# Altium PCB Spectacles.PcbDoc
Units mil, origin at the board's own origin, x right, y up, seen from the top; angles counter-clockwise.
Board outline 620 x 1935 mil, 6 copper layers (L1, L2, L3, L4, L5, L6), stack 60.173 mil thick; 80 components, 59 nets, 292 pads, 105 vias.
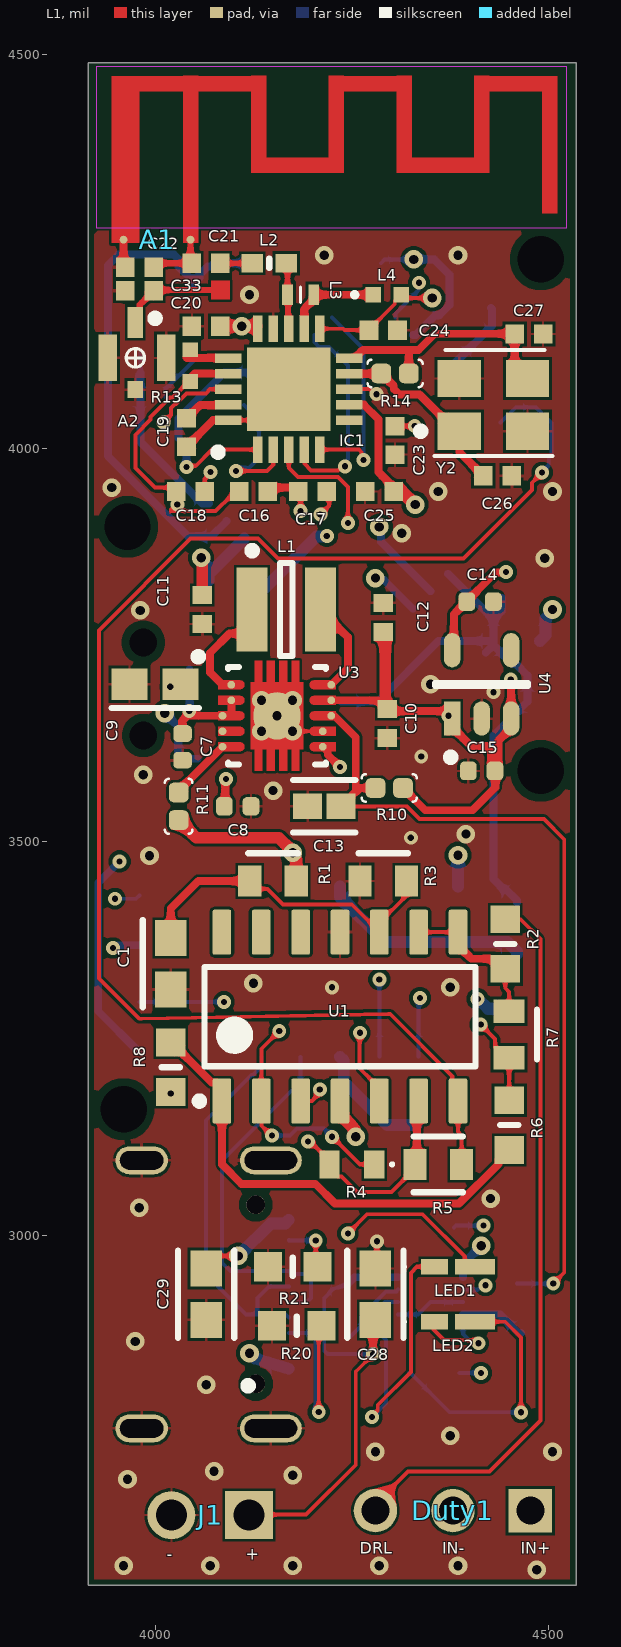
[diagram p0: L1 view]
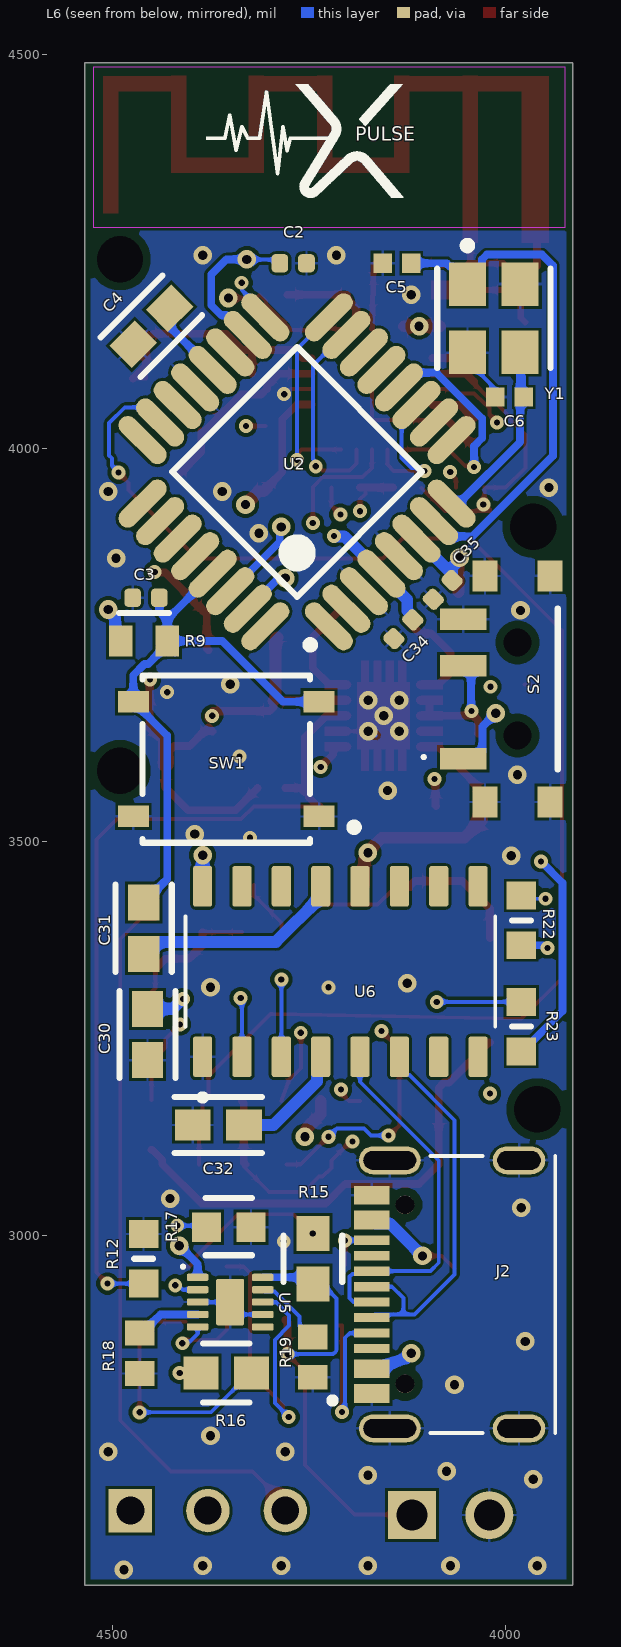
[diagram p1: L6 view, seen from below]
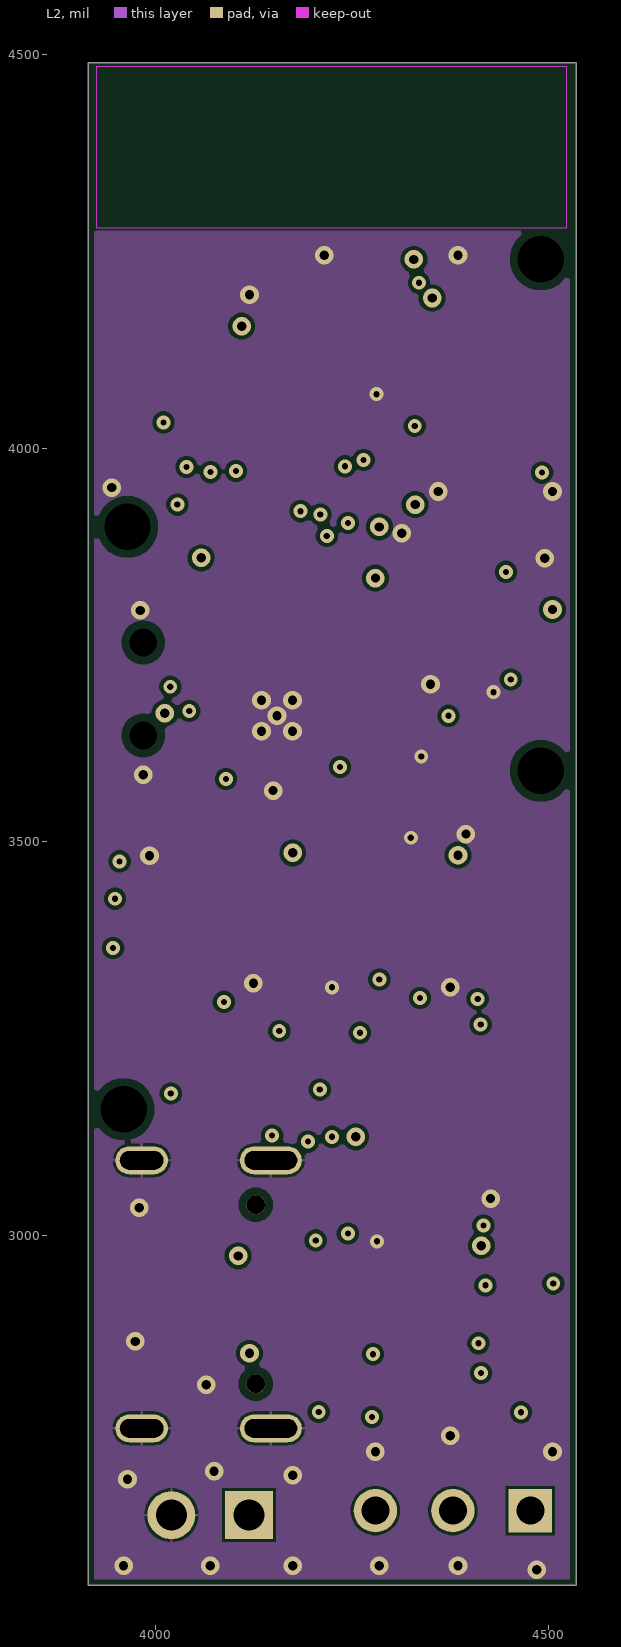
[diagram p2: L2]
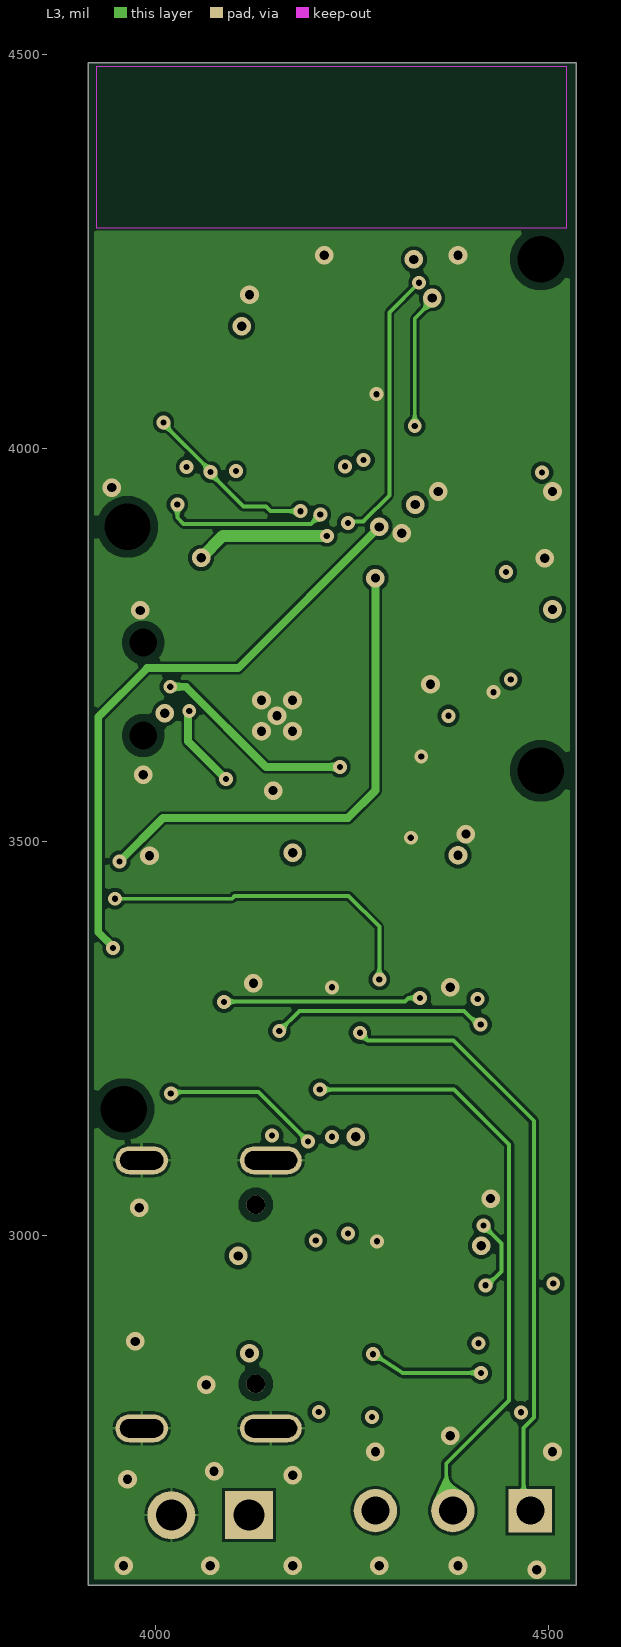
[diagram p3: L3]
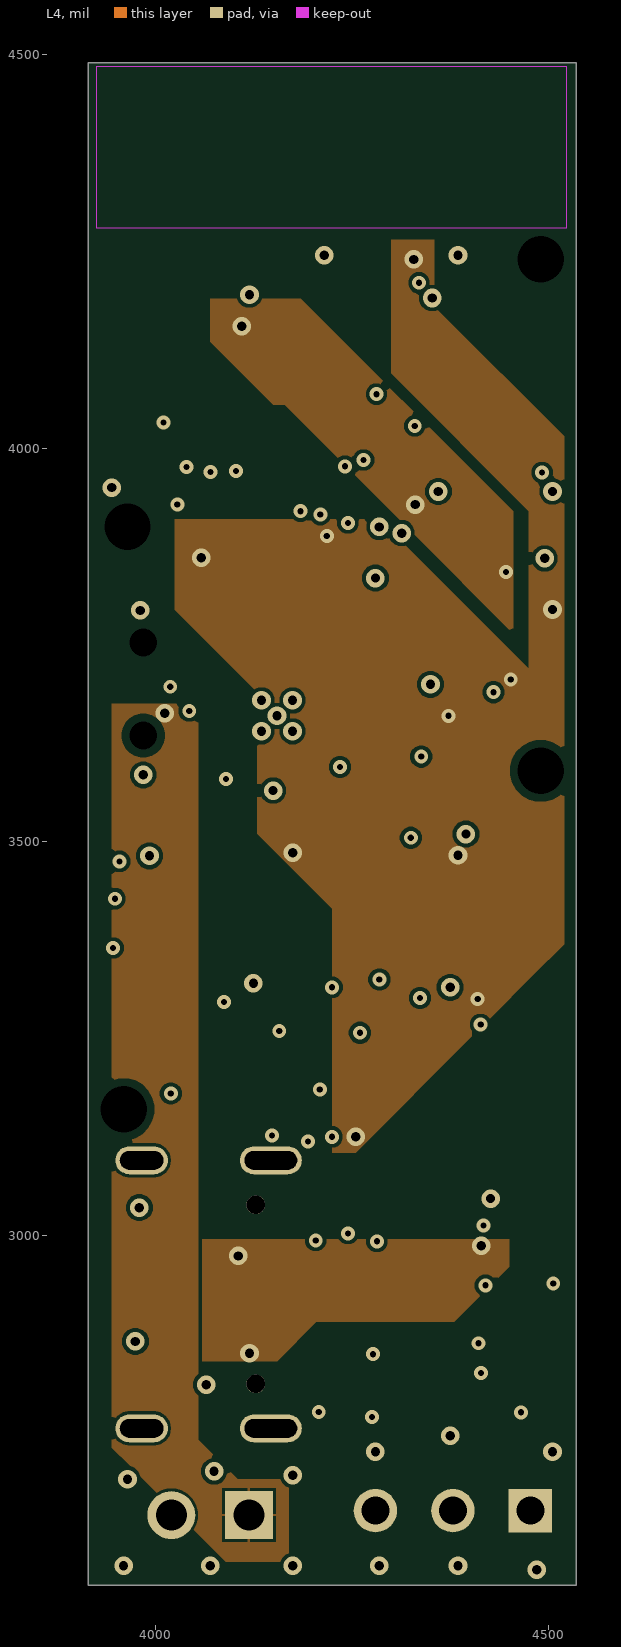
[diagram p4: L4]
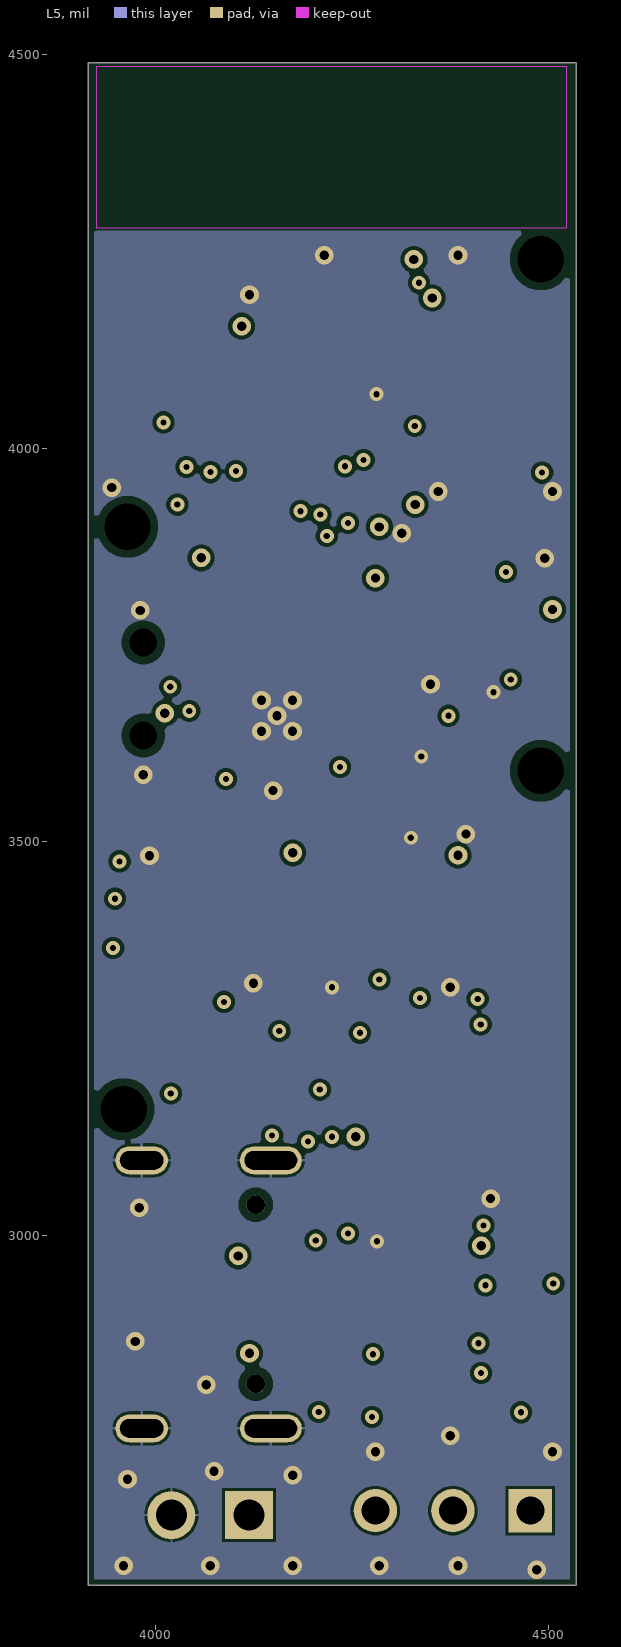
[diagram p5: L5]
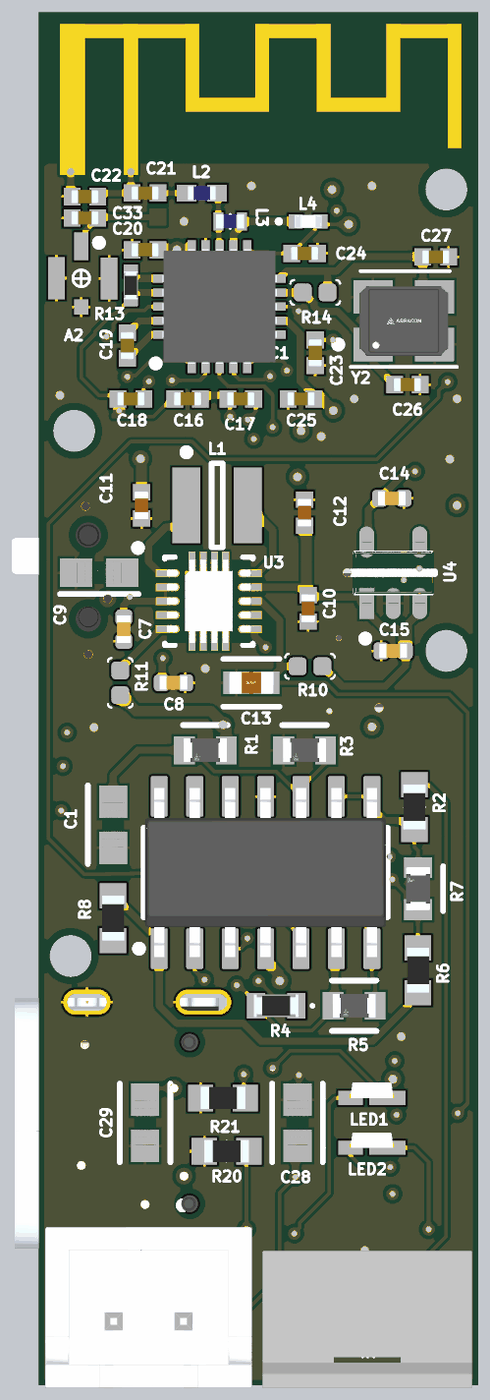
[diagram p6: 3D render of the assembled board from above, using the file's embedded part models]
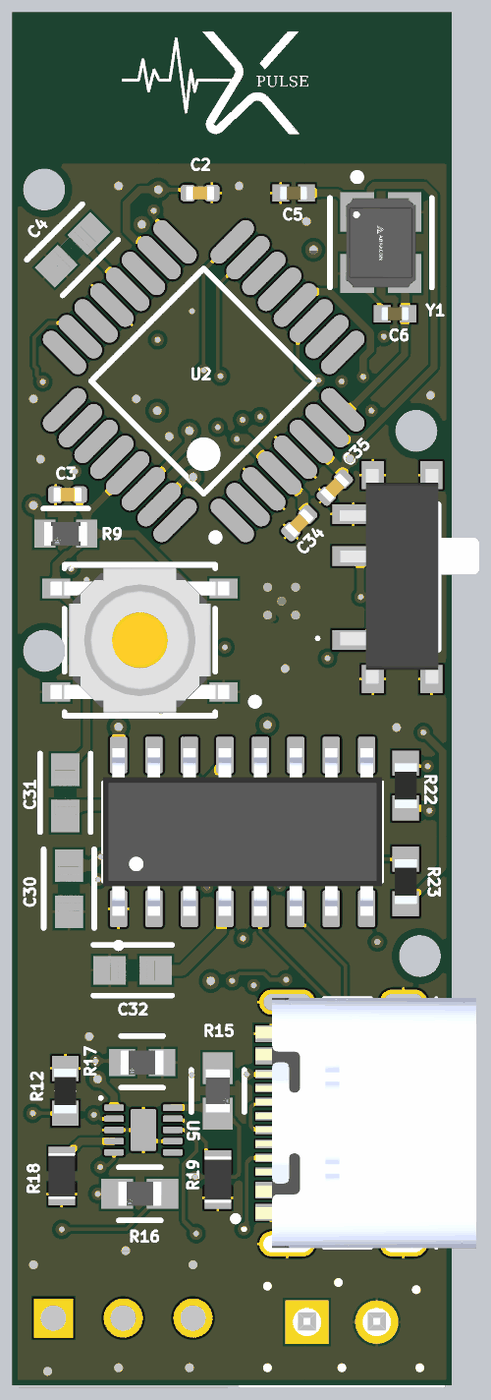
[diagram p7: 3D render of the assembled board from below, using the file's embedded part models]

## Layer stack, top to bottom
Top Solder: solder mask 1.2, Solder Resist, Dk 3.5
L1: signal copper 1.378
Dielectric 2: prepreg 3.7165, PP-015, Dk 4.1
L2: signal copper 0.5984
Dielectric 3: core 21.6535, PP-006, Dk 4.6
L3: signal copper 0.5984
Dielectric 1: prepreg 4.2835, PP-016, Dk 4.16
L4: signal copper 0.5984
Dielectric 4: core 21.6535, PP-006, Dk 4.6
L5: signal copper 0.5984
Dielectric 5: prepreg 3.7165, PP-015, Dk 4.1
L6: signal copper 1.378
Bottom Solder: solder mask 1.2, Solder Resist, Dk 3.5

## Board outline
3915,2555 3915,4490 4535,4490 4535,2555

## Design rules (kind name [scope] priority, off if disabled: settings)
BoardOutlineClearance [All] p1: gap=7.87 ignorepadtopadclearanceinfootprint=FALSE
Clearance [All] p1: gap=3.5 ignorepadtopadclearanceinfootprint=FALSE except(5: Arc-Via Track-Via SMDPad-Via THPad-Via Via-Via Via-Fill Via-Poly Via-Region Via-Text; 9.84: Arc-Hole Track-Hole SMDPad-Hole THPad-Hole Via-Hole Fill-Hole Poly-Hole Region-Hole Text-Hole)
ComponentClearance [All] p1: gap=3.5 collisioncheckmode=3 verticalgap=3.5 showdistances=TRUE
DiffPairsRouting [All] p1: maxlimit=3.5 minlimit=3.5 mostfreqgap=3.5 toplayer_minwidth=3.5 toplayer_maxwidth=71497.94 toplayer_prefwidth=3.5 midlayer1_minwidth=3.5 midlayer1_maxwidth=71497.94 midlayer1_prefwidth=3.5 midlayer2_minwidth=3.5 midlayer2_maxwidth=71497.94 midlayer2_prefwidth=3.5 midlayer3_minwidth=3.5 midlayer3_maxwidth=71497.94 midlayer3_prefwidth=3.5 midlayer4_minwidth=3.5 midlayer4_maxwidth=71497.94 midlayer4_prefwidth=3.5 bottomlayer_minwidth=3.5 bottomlayer_maxwidth=71497.94 bottomlayer_prefwidth=3.5 maxuncoupledlength=500
Height [All] p1: minheight=0 maxheight=71497.94 prefheight=500
HoleSize [All] p1: absolutevalues=TRUE maxlimit=248.03 minlimit=7.87 maxpercent=80.000 minpercent=20.000
HoleToHoleClearance [All] p1: gap=9.84 allowstackedmicrovias=FALSE
MinimumAnnularRing [All] p1: minimumring=3
MinimumSolderMaskSliver [All] p1: minsoldermaskwidth=0
PlaneClearance [All] p1: clearance=3.5
PlaneConnect PlaneConnectPowerPads [InPadClass('PowerPads')] p1: planeconnectstyle=Direct reliefexpansion=20 reliefentries=4 reliefconductorwidth=10 reliefairgap=10
PlaneConnect [All] p2: pad.planeconnectstyle=Relief pad.reliefexpansion=11.81 pad.reliefentries=4 pad.reliefconductorwidth=3.5 pad.reliefairgap=3.5 via.planeconnectstyle=Direct via.reliefexpansion=11.81 via.reliefentries=4 via.reliefconductorwidth=5 via.reliefairgap=5
PolygonConnect PolygonConnectPowerPads [All vs (InPadClass('PowerPads'))] p1: connectstyle=Direct reliefconductorwidth=10 reliefentries=4 polygonreliefangle="90 Angle" airgapwidth=10
PolygonConnect [All] p2: thpad.connectstyle=Relief thpad.reliefconductorwidth=3.5 thpad.reliefentries=4 thpad.polygonreliefangle="90 Angle" thpad.airgapwidth=3.5 smdpad.connectstyle=Relief smdpad.reliefconductorwidth=3.5 smdpad.reliefentries=4 smdpad.polygonreliefangle="90 Angle" smdpad.airgapwidth=3.5 via.connectstyle=Direct via.reliefconductorwidth=5 via.reliefentries=4 via.polygonreliefangle="90 Angle" via.airgapwidth=5
RoutingVias [All] p1: holewidth=7.87 width=17.72 viastyle="Through Hole" minholewidth=7.87 minwidth=17.72 maxholewidth=248.03 maxwidth=257.87
SilkToSilkClearance [All] p1: silktosilkclearance=0
SilkToSolderMaskClearance [IsPad] p1: minsilkscreentomaskgap=3.5 clearancetoexposedcopper=TRUE
SolderMaskExpansion [All] p1: expansion=2.95 istentingtop=FALSE
Width Width_1 [InNetClass('Antena')] p1: maxlimit=10 minlimit=5 preferedwidth=10 toplayer_maxwidth=8.11 toplayer_prefwidth=6.76 bottomlayer_maxwidth=8.11 bottomlayer_prefwidth=6.76 impedanceprofiledriven=TRUE impedanceprofileid={90A62354-3320-4625-87BC-3926C6AD93D1} impedanceprofilevalue=50.000000 minimp=50.000000 maximp=50.000000 favimp=50.000000
Width [All] p2: maxlimit=71497.94 minlimit=3.5 preferedwidth=3.5
20 further rules are at their usual default settings.

## Classes and differential pairs
net class Antena: AT NetA1_1 NetA2_1 NetIC1_13
component class U_Cording: C30 C31 C32 J2 R20 R21 R22 R23 U6
component class "U_NRF Module": A1 A2 C16 C17 C18 C19 C20 C21 C22 C23 C24 C25 C26 C27 C33 IC1 L2 L3 L4 R13 R14 Y2
component class "U_Lipo Charger1": C28 C29 J1 LED1 LED2 R15 R16 R17 R18 R19 U5
component class U_Buck_converter: C7 C8 C9 C10 C11 C12 C13 C14 C15 L1 R10 R11 R12 S2 U3 U4
component class U_MCU: C2 C3 C4 C5 C6 C34 C35 R9 SW1 U2 Y1
component class "U_Instrumental Amplifire": R4 R5 R6 R7 R8 U1
component class U_Electrodes: Duty1
component class "U_Driven Right Leg": C1 R1 R2 R3

## Components (designator, comment, footprint, x,y, rotation, side; value= is the part's Value field where it differs from the comment)
A1 "2.4GHz antena" Antena 3925,4280 r0 top net-tie
A2 "RECE-20369-001E-01" TG-RECE-20369-001E-4_V 3975,4114.72 r180 top
C1 "CL10B104KB8NNND" FP-CL10-IPC_A 4020,3345 r270 top
C2 "CL05A106MP5NUNC" CAPC1005X55N#1 4270,4235 r0 bottom
C3 "CL05A106MP5NUNC" CAPC1005X55N#1 4456.93,3810 r180 bottom
C4 "CL10B104KB8NNND" FP-CL10-IPC_A 4450,4155 r315 bottom
C5 "GRM1555C1H200JA01D" CAPC1005X55N#2 4138.11,4235 r180 bottom
C6 "GRM1555C1H200JA01D" CAPC1005X55N#2 3995,4065 r180 bottom
C7 "CL05A106MP5NUNC" CAPC1005X55N#1 4035,3620.51 r90 top
C8 "CL05A106MP5NUNC" CAPC1005X55N#1 4105,3545 r180 top
C9 "CL10B104KB8NNND" FP-CL10-IPC_A 4000,3700 r180 top
C10 "GRM1555C1H200JA01D" CAPC1005X55N#3 4295,3650 r90 top
C11 "GRM1555C1H200JA01D" CAPC1005X55N#3 4060,3795 r90 top
C12 "GRM1555C1H200JA01D" CAPC1005X55N#3 4290,3784.78 r270 top
C13 "C1608C0G1H100D080AA" FP-C1608-080-0_1-IPC_C 4215,3545 r0 top
C14 "CL05A106MP5NUNC" CAPC1005X55N#1 4413.07,3805 r180 top
C15 "CL05A106MP5NUNC" CAPC1005X55N#1 4415,3590 r0 top
C16 "GRM155R71C103KA01D" CAPC1005X55N#2 4125,3945 r0 top
C17 "CL05A106MP5NUNC" CAPC1005X55N#2 4200,3945 r180 top
C18 "GRM1555C1H911JA01D" CAPC1005X55N#2 4045,3945 r0 top
C19 "GRM155R71C333KA01D" CAPC1005X55N#2 4040,4020 r90 top
C20 "GRM155R71C103KA01D" CAPC1005X55N#2 4065,4155 r0 top
C21 "GJM1555C1H1R5WB01D" CAPC1005X55N#2 4065,4235 r180 top
C22 "GJM1555C1H1R0WB01D" CAPC1005X55N#2 3980,4230 r0 top
C23 "GCM155R71H222KA37D" CAPC1005X55N#2 4305,4010 r90 top
C24 "GRM1555C1H4R7CA01D" CAPC1005X55N#2 4290,4150 r180 top
C25 "GRM155R71C103KA01D" CAPC1005X55N#2 4285,3945 r180 top
C26 "GRM1555C1H200JA01D" CAPC1005X55N#2 4435,3965 r180 top
C27 "GRM1555C1H200JA01D" CAPC1005X55N#2 4475,4145 r180 top
C28 "10uF" FP-CL10-IPC_A 4280,2925 r90 top
C29 "10uF" FP-CL10-IPC_A 4065,2925 r270 top
C30 "CL10B104KB8NNND" FP-CL10-IPC_A 4455,3255 r90 bottom
C31 "CL10B104KB8NNND" FP-CL10-IPC_A 4460,3390 r90 bottom
C32 "CL10B104KB8NNND" FP-CL10-IPC_A 4365,3140 r180 bottom
C33 "GJM1555C1H1R0WB01D" CAPC1005X55N#2 3980,4200 r0 top
C34 "CL05A106MP5NUNC" CAPC1005X55N#1 4130,3770 r315 bottom
C35 "CL05A106MP5NUNC" CAPC1005X55N#1 4080,3820 r315 bottom
Duty1 "171825-3" TECO-171825-3_V 4378.43,2650 r180 top
IC1 "NRF24L01-REEL7" QFN50P400X400X80-21N-D 4170,4075 r90 top
J1 "2 PIN" FP-B2B-XH-AM_LF_SN-MFG 4070,2665 r0 top
J2 "TYPE-C-31-M-12" HRO_TYPE-C-31-M-12 3982.99,2924.84 r90 bottom
L1 "SRN3015-1R0Y" BOUR-SRN3015-2_V 4166.69,3795 r0 top
L2 "ATFC-0402HQ-3N9B-T" INDC1005X37N 4145,4235 r180 top
L3 "LQG15HS8N2H02D" LQG15WH0N7B02D 4185,4195 r180 top
L4 "MLG1005S0N3BT000" MLG1005 4295,4195 r0 top
LED1 "ASCKCR00-BU5V5020402" ASCKCR00BU5V5020402 4385,2960 r0 top
LED2 "ASCKCR00-BU5V5020402" ASCKCR00BU5V5020402 4385,2890 r0 top
R1 "CRCW060310K0FKEAHP" FP-CRCW0603-HPe3-MFG 4150,3450 r180 top
R2 "RC0603FR-071KL" RESC1608X55N 4445,3370 r90 top
R3 "CRCW060310K0FKEAHP" FP-CRCW0603-HPe3-MFG 4290,3450 r180 top
R4 "ERA-3ARW393V" ERA3AEB101V 4250,3090 r180 top
R5 "CRCW060310K0FKEAHP" FP-CRCW0603-HPe3-MFG 4360,3090 r180 top
R6 "RC0603FR-071KL" RESC1608X55N 4450,3140 r270 top
R7 "CRCW060310K0FKEAHP" FP-CRCW0603-HPe3-MFG 4450,3255 r90 top
R8 "RC0603FR-071KL" RESC1608X55N 4020,3213.5 r270 top
R9 "CRCW060310K0FKEAHP" FP-CRCW0603-HPe3-MFG 4459.53,3755 r0 bottom
R10 "SMD-RES-1M-1%-1/16W(0402)" R0402 4297.57,3568.26 r90 top
R11 "SMD-RES-1M-1%-1/16W(0402)" R0402 4030,3545 r0 top
R12 "RN73H1JTTD1113D25" RESC1608X55N 4460,2970 r270 bottom
R13 "ERA-2AEB223X" ERA2AED122X 4045,4105 r270 top
R14 "SMD-RES-1M-1%-1/16W(0402)" R0402 4305,4095 r90 top
R15 "1.5K" FP-CRCW0603-e3-IPC_A 4245,2970 r270 bottom
R16 "1.5K" FP-CRCW0603-e3-IPC_A 4355,2825 r0 bottom
R17 "549R" FP-CRCW0603-e3-IPC_B 4351.83,3010 r0 bottom
R18 "1K" RESC1609X50X30NL8T20 4465,2850 r90 bottom
R19 "10K" RESC1609X50X30NL8T20 4245,2845 r90 bottom
R20 "0603WAF5101T5E" RESC1608X55N 4180,2885 r0 top
R21 "0603WAF5101T5E" RESC1608X55N 4175,2960 r180 top
R22 "RC0603FR-071KL" RESC1608X55N 3980,3400 r90 bottom
R23 "RC0603FR-071KL" RESC1608X55N 3980,3265 r90 bottom
S2 "CUS-12TB" CUS12TB 3985,3635 r90 bottom
SW1 "PTS526SK15SMTR2LFS" FP-PTS526SK15SMTR2LFS-MFG 4355,3605 r0 bottom
U1 "TL084ACDR" D0014A_N 4235,3277.72 r90 top
U2 "ATmega328P-AU" 32A_M 4265,3970 r45 bottom
U3 "TPS63060DSCR" FP-DSC0010G-MFG 4155,3660 r0 top
U4 "AP2204K-3.3TRG1" FP-SOT25-IPC_C 4415,3700 r90 top
U5 "BQ24040DSQR" DSQ0010A_V 4350,2915 r180 bottom
U6 "CH340C" SOIC127P600X180-16N 4210,3335 r90 bottom
Y1 "ABM8G-16.000MHZ-18-D2Y-T" FP-ABM8G-MFG 4015,4165 r270 bottom
Y2 "ABM8G-16.000MHZ-18-D2Y-T" FP-ABM8G-MFG 4430,4055 r0 top

## Footprints (in the part's own frame and the unit in brackets; to place one, negate y for a bottom-side part, rotate by r counter-clockwise, add the part's x,y. Pads: shape width x height; smd on the part's side, far side on the other; paste and mask are expansions set on the pad)
32A_M [mm] "Thin QFP, 32-Leads, Body 7x7mm, Pitch 0.8mm, IPC Low Density"
  oval 1.95x0.6 smd: 1(-4.25,2.8) 2(-4.25,2) 3(-4.25,1.2) 4(-4.25,0.4) 5(-4.25,-0.4) 6(-4.25,-1.2) 7(-4.25,-2) 8(-4.25,-2.8) 17(4.25,-2.8) 18(4.25,-2) 19(4.25,-1.2) 20(4.25,-0.4) 21(4.25,0.4) 22(4.25,1.2) 23(4.25,2) 24(4.25,2.8)
  oval 0.6x1.95 smd: 9(-2.8,-4.25) 10(-2,-4.25) 11(-1.2,-4.25) 12(-0.4,-4.25) 13(0.4,-4.25) 14(1.2,-4.25) 15(2,-4.25) 16(2.8,-4.25) 25(2.8,4.25) 26(2,4.25) 27(1.2,4.25) 28(0.4,4.25) 29(-0.4,4.25) 30(-1.2,4.25) 31(-2,4.25) 32(-2.8,4.25)
  silkscreen extent -4.37,-2.85 2.85,3.77, body extent -3.5,-3.5 3.5,3.5, height 1.2
Antena [mil] "2.4GHz antena"
  round 10 smd: 1(120,-15) 2(35,-15)
  L1 region: 566.93,18.39 586.61,18.39 586.61,193.19 566.93,193.19
  L1 region: 586.61,173.34 586.61,193.03 480.32,193.03 480.32,173.34
  L1 region: 480.32,69.73 500,69.73 500,193.35 480.32,193.35
  L1 region: 500,69.57 500,89.25 381.89,89.25 381.89,69.57
  L1 region: 381.89,69.73 401.58,69.73 401.58,193.35 381.89,193.35
  L1 region: 401.57,173.34 401.57,193.03 295.28,193.03 295.28,173.34
  L1 region: 295.28,69.73 314.96,69.73 314.96,193.35 295.28,193.35
  L1 region: 196.85,69.73 216.54,69.73 216.54,193.35 196.85,193.35
  L1 region: 19.68,-19.41 55.12,-19.41 55.12,193.19 19.68,193.19
  L1 region: 110.24,-19.25 129.92,-19.25 129.92,193.35 110.24,193.35
  L1 region: 216.53,173.34 216.53,193.03 19.69,193.03 19.69,173.34
  L1 region: 314.96,69.57 314.96,89.25 196.85,89.25 196.85,69.57
  Keep-Out Layer region: 0,0 598.43,0 598.43,204.72 0,204.72
ASCKCR00BU5V5020402 [mm]
  rect 0.87x0.5 smd: 1(-0.765,0)
  rect 1.3x0.5 smd: 2(0.55,0)
  silkscreen extent -1.8,-0.05 -1.7,0.05, body extent -0.8,0 0.8,0.55, height 0.4
BOUR-SRN3015-2_V [mm] "SMD, 2-Leads, Body 3x3mm, Height 1.5mm"
  rect 1x2.7 smd: 1(-1.1,0) 2(1.1,0)
  silkscreen extent -1.22,-1.5 0.2,2.02, body extent -1.5,-1.5 1.5,1.5, height 1.5
CAPC1005X55N#1 [mm]
  rrect53% 0.54x0.6 smd: 1(-0.43,0) 2(0.43,0)
  body extent -0.5,-0.25 0.5,0.25, height 0.55
CAPC1005X55N#2 [mm]
  rect 0.6x0.62 smd: 1(-0.46,0) 2(0.46,0)
  body extent -0.5,-0.25 0.5,0.25, height 0.55
CAPC1005X55N#3 [mm]
  rect 0.58x0.62 smd: 1(-0.47,0) 2(0.47,0)
  body extent -0.5,-0.25 0.5,0.25, height 0.55
CUS12TB [mm]
  rect 0.7x1.5 smd: 1(-0.75,1.75) 2(2.25,1.75) 3(3.75,1.75)
  round 0.45 hole 0.9 unplated: MH1(0,0) MH2(3,0)
  rect 1x0.8 smd: MP1(-2.15,1.05) MP2(5.15,1.05) MP3(-2.15,-1.05) MP4(5.15,-1.05)
  silkscreen extent -1.1,-1.3 4.1,3.08, body extent -2.32,-2.76 5.36,2.23, height 1.47
D0014A_N [mm] "SOIC, 14-Leads, Body 8.75x4mm, Pitch 1.27mm, IPC Medium Density"
  rrect17% 1.45x0.6 smd: 1(-2.725,3.81) 2(-2.725,2.54) 3(-2.725,1.27) 4(-2.725,0) 5(-2.725,-1.27) 6(-2.725,-2.54) 7(-2.725,-3.81) 8(2.725,-3.81) 9(2.725,-2.54) 10(2.725,-1.27) 11(2.725,0) 12(2.725,1.27) 13(2.725,2.54) 14(2.725,3.81)
  silkscreen extent -2.85,-4.37 1.6,4.66, body extent -3.02,-4.32 3.02,4.32, height 1.59
DSQ0010A_V [mm] "SON, 10-Leads, Body 2x2mm, Pitch 0.4mm, Thermal Pad 1.5x0.9mm"
  rrect43% 0.7x0.23 smd: 1(-1.05,0.8) 2(-1.05,0.4) 3(-1.05,0) 4(-1.05,-0.4) 5(-1.05,-0.8) 6(1.05,-0.8) 7(1.05,-0.4) 8(1.05,0) 9(1.05,0.4) 10(1.05,0.8)
  rrect11% 0.9x1.5 smd: 11(0,0)
  silkscreen extent -1.57,1.09 -1.47,1.19, body extent -1,-1 1,1, height 0.8
ERA2AED122X [mm]
  rect 0.475x0.5 smd: 1(-0.512,0) 2(0.512,0)
  body extent -0.5,-0.25 0.5,0.25, height 0.35
ERA3AEB101V [mm]
  rect 0.65x0.9 smd: 1(-0.725,0) 2(0.725,0)
  silkscreen extent -1.35,-0.05 -1.25,0.05, body extent -0.8,-0.4 0.8,0.4, height 0.45
FP-ABM8G-MFG [mm]
  rect 1.4x1.2 smd paste+0 mask+0: 1(-1.1,-0.85) 2(1.1,-0.85) 3(1.1,0.85) 4(-1.1,0.85)
  silkscreen extent -2.47,-1.83 1.6,1.82, body extent -1.6,-1.25 1.6,1.25, height 1
FP-B2B-XH-AM_LF_SN-MFG [mm]
  rect 1.55x1.55 hole 1 paste-1000 mask+0: 1(1.25,-0.525)
  round 1.55 hole 1 paste-1000 mask+0: 2(-1.25,-0.525)
  silkscreen extent 1.1,3.53 1.35,3.77, body extent -3.8,-2.98 3.8,2.98, height 0.25
FP-C1608-080-0_1-IPC_C [mil]
  rect 36.66x31.97 smd paste+0 mask+0: 1(-21.28,0) 2(21.28,0)
  silkscreen extent -40,-33 40,33, body extent -31,-16 31,16, height 35
FP-CL10-IPC_A [mil]
  rect 45.6x39.85 smd paste+0 mask+0: 1(-32.56,0) 2(32.56,0)
  silkscreen extent -55,-36 55,-36, body extent -75,-40 75,40, height 10
FP-CRCW0603-e3-IPC_A [mil]
  rect 44.69x41.82 smd paste+0 mask+0: 1(-32.1,0) 2(32.1,0)
  silkscreen extent -30,-37 30,37, body extent -31,-17 31,17, height 20
FP-CRCW0603-e3-IPC_B [mil]
  rect 36.81x37.88 smd paste+0 mask+0: 1(-28.17,0) 2(28.17,0)
  silkscreen extent -30,-37 30,35, body extent -31,-17 31,17, height 20
FP-CRCW0603-HPe3-MFG [mm]
  rect 0.75x1 smd paste+0 mask+0: 1(-0.75,0) 2(0.75,0)
  silkscreen extent -0.8,-0.9 0.8,-0.9, body extent -1.22,-0.6 1.22,0.6, height 0.25
FP-DSC0010G-MFG [mm]
  round 0.252 smd paste-1000 mask+0: 1(-1.475,1) 2(-1.475,0.5) 3(-1.76,0) 4(-1.76,-0.5) 5(-1.76,-1) 6(1.475,-1) 7(1.475,-0.5) 8(1.75,0) 9(1.75,0.5) 10(1.75,1)
  round 1.53 smd paste-1000 mask+0: 11(0,0)
  L1 region: -1.9,1.14 -1.19,1.14 -1.136,1.129 -1.091,1.099 -1.061,1.054 -1.05,1 -1.05,1 -1.061,0.946 -1.091,0.901 -1.136,0.871 -1.19,0.86 -1.19,0.86 -1.9,0.86
  L1 region: -1.9,0.64 -1.19,0.64 -1.136,0.629 -1.091,0.599 -1.061,0.554 -1.05,0.5 -1.05,0.5 -1.061,0.446 -1.091,0.401 -1.136,0.371 -1.19,0.36 -1.19,0.36 -1.9,0.36
  L1 region: -1.9,0.14 -1.19,0.14 -1.136,0.129 -1.091,0.099 -1.061,0.054 -1.05,0 -1.05,0 -1.061,-0.054 -1.091,-0.099 -1.136,-0.129 -1.19,-0.14 -1.19,-0.14 -1.9,-0.14
  L1 region: -1.9,-0.36 -1.19,-0.36 -1.136,-0.371 -1.091,-0.401 -1.061,-0.446 -1.05,-0.5 -1.05,-0.5 -1.061,-0.554 -1.091,-0.599 -1.136,-0.629 -1.19,-0.64 -1.19,-0.64 -1.9,-0.64
  L1 region: -1.9,-0.86 -1.19,-0.86 -1.136,-0.871 -1.091,-0.901 -1.061,-0.946 -1.05,-1 -1.05,-1 -1.061,-1.054 -1.091,-1.099 -1.136,-1.129 -1.19,-1.14 -1.19,-1.14 -1.9,-1.14
  L1 region: 1.9,-1.14 1.19,-1.14 1.136,-1.129 1.091,-1.099 1.061,-1.054 1.05,-1 1.05,-1 1.061,-0.946 1.091,-0.901 1.136,-0.871 1.19,-0.86 1.19,-0.86 1.9,-0.86
  L1 region: 1.9,-0.64 1.19,-0.64 1.136,-0.629 1.091,-0.599 1.061,-0.554 1.05,-0.5 1.05,-0.5 1.061,-0.446 1.091,-0.401 1.136,-0.371 1.19,-0.36 1.19,-0.36 1.9,-0.36